# Allegro board rpi-cm4-carrierboard.brd (continued)
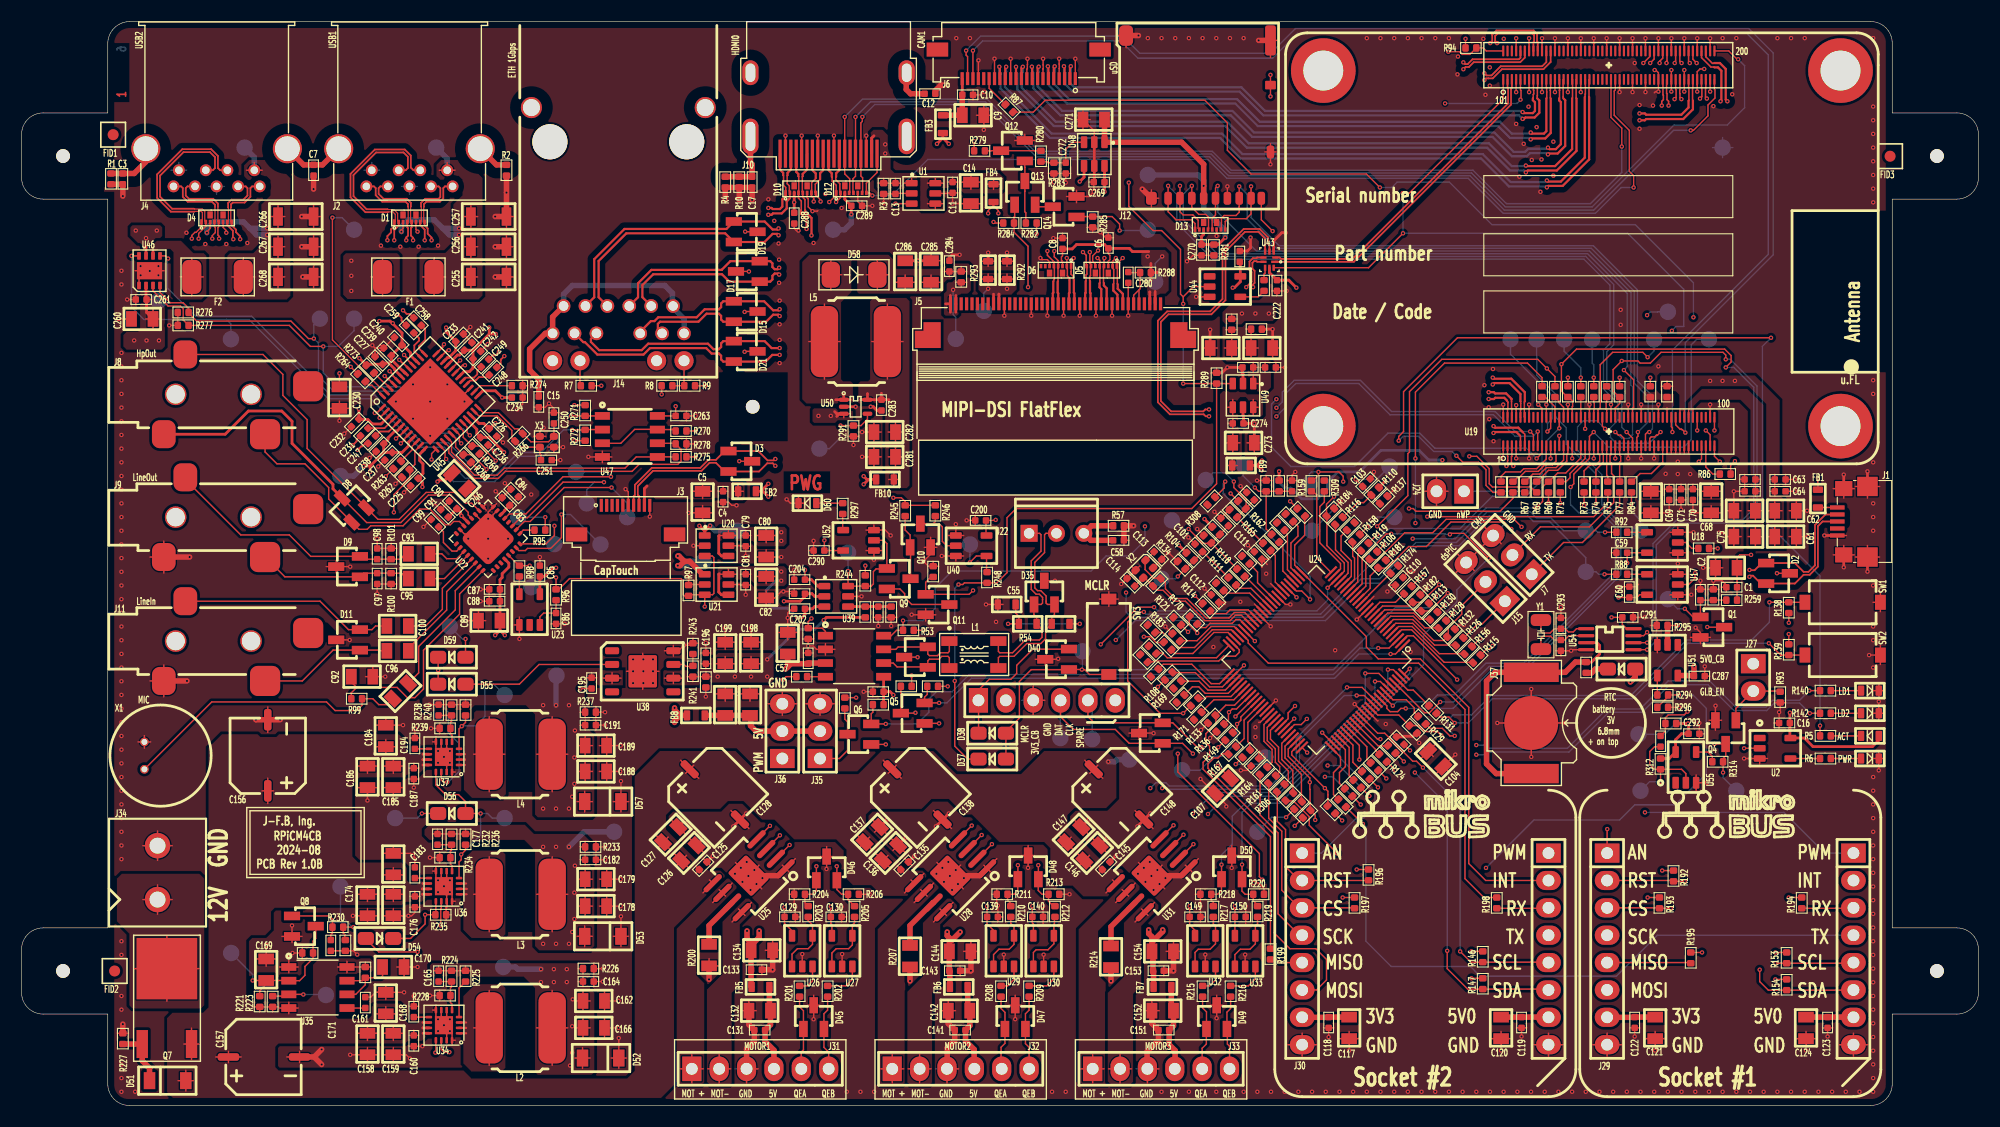
[diagram p0: board, top side]
## Routing (per net, layer and track width the routed paths; a pad name or vN(x,y) marks a point on that pad's centre or on a via; arc(x,y) is an arc through that point) (continued)
N1805192_MOTOR6: length 6
  TOP w0.127: U33.1 112.6,14 113.1,14.5 114,14.5 114.5,15 U33.4 114.5,16.65 114.7,16.85 R219.1
N1805304_MOTOR4: length 8.2
  TOP w0.508: J31.4 69.82,5.13 69,5.95 C131.2 69.5,7.5 C132.1 69.4,8.9 FB5.1
N1805304_MOTOR5: length 8.2
  TOP w0.508: FB6.1 87.8,9 C142.1 88,7.4 C141.2 87.6,6 88.4,5.2 88.4,3.42 J32.4
N1805304_MOTOR6: length 8.1
  TOP w0.508: FB7.1 106.7,9 C152.1 106.9,7.4 C151.2 106.5,5.65 107.05,5.1 107.05,3.43 J33.4
N2002601_MIKROBUS1: length 7.8
  TOP w0.127: R195.2 154.84,13.26 J29.5
N2002601_MIKROBUS2: length 3.1
  TOP w0.127: R199.2 116.44,13.55 116.73,13.26 J30.5
N2002805_MIKROBUS1: length 4.8
  TOP w0.127: J29.14 169.96,18.3 R194.1
N2002805_MIKROBUS2: length 4.8
  TOP w0.127: R198.1 141.66,18.3 J30.14
Net_5: length 1
  TOP w0.127: 109.6,46.6 v1(108.9,47.3)
Net_8: length 1.1
  TOP w0.127: 125,52.2 v1(125.8,53)
NRPIBOOT: length 19
  TOP w0.127: Q1.3 156.45,44.39 v1(156.43,44.4) ; U19.93 155.9,60 v1(155.65,59.75)
  SIG_INNER2 w0.127: v1(155.65,59.75) 156.1,59.3 156.1,51.1 156.65,50.55 156.65,49.4 156.43,49.18 v1(156.43,44.4)
OSCI: length 14.7
  TOP w0.127: U24.42 113.51,45.75 112.55,45.75 112.05,45.25 109.95,45.25 108.15,47.05 107.05,47.05 106.15,47.95 106.15,48.46 R143.2 105.67,48.94 105.06,48.94 104.26,49.74 104.26,50.56 X2.1 C113.1
OSCO: length 13.2
  TOP w0.127: U24.43 113.2,45.5 112.65,45.5 112.15,45 109.8,45 108,46.8 106.95,46.8 105.93,47.82 105.38,47.82 R143.1 104.23,48.97 X2.3 103.31,48.2 C114.1
OUTA_MOTOR4: length 8.2
  TOP w0.127: 62.2,2.08 J31.1 ; J31.1 61.13,3.4 ; J31.1 62.2,4.72 ; J31.1 63.27,3.4 ; 64.13,18.83 U25.6 ; U25.6 64.74,20.03 ; U25.6 65.94,20.63 ; U25.6 65.34,19.43
OUTA_MOTOR5: length 8.2
  TOP w0.127: 82.83,18.83 U28.6 ; U28.6 84.04,19.43 ; U28.6 84.64,20.63 ; U28.6 83.44,20.03 ; 79.73,3.4 J32.1 ; J32.1 81.87,3.4 ; J32.1 80.8,4.72 ; J32.1 80.8,2.08
OUTA_MOTOR6: length 8.2
  TOP w0.127: 101.53,18.83 U31.6 ; U31.6 103.34,20.63 ; U31.6 102.74,19.43 ; U31.6 102.14,20.03 ; 98.33,3.4 J33.1 ; J33.1 100.47,3.4 ; J33.1 99.4,2.08 ; J33.1 99.4,4.72
OUTB_MOTOR4: length 8.2
  TOP w0.127: 65.93,17.03 U25.8 ; U25.8 66.53,18.24 ; U25.8 67.74,18.84 ; U25.8 67.14,17.63 ; 64.74,2.08 J31.2 ; J31.2 63.67,3.4 ; J31.2 65.81,3.4 ; J31.2 64.74,4.72
OUTB_MOTOR5: length 8.2
  TOP w0.127: U28.8 85.84,17.63 ; U28.8 86.44,18.84 ; U28.8 84.63,17.03 ; U28.8 85.23,18.24 ; J32.2 83.34,4.72 ; J32.2 84.41,3.4 ; J32.2 82.27,3.4 ; J32.2 83.34,2.08
OUTB_MOTOR6: length 8.2
  TOP w0.127: U31.8 105.14,18.84 ; U31.8 103.33,17.03 ; U31.8 104.54,17.63 ; U31.8 103.93,18.24 ; 101.94,2.08 J33.2 ; J33.2 103.01,3.4 ; J33.2 101.94,4.72 ; J33.2 100.87,3.4
PCIE.PCIE_CLK_N: length 136
  TOP w0.158: v1(33.23,63.82) U45.2 ; U19.112 139.5,97.25 139.08,96.83 134.76,96.83 134.31,96.38 134,96.38 v1(133.8,96.17)
  SIG_INNER2 w0.152: v1(133.8,96.17) 133.88,96.25 134.18,96.25 134.61,95.82 134.61,92.46 132.64,90.5 94.19,90.5 91.29,87.6 64,87.6 62.7,86.3 50.25,86.3 45.66,81.71 45.66,68.91 39.84,63.09 34.29,63.09 33.45,62.25 32.84,62.25 32.39,62.7 32.39,63.16 32.75,63.52 32.92,63.52 v1(33.23,63.82)
PCIE.PCIE_CLK_NREQ: length 154.9
  TOP w0.127: R263.1 v1(33.8,58.4) ; U19.102 135.93,97.87 135.65,98.15 R94.2 134.4,97.55 133.7,97.55 133.45,97.8 v1(132.4,97.8)
  SIG_INNER2 w0.127: v1(132.4,97.8) 132.4,94.45 133,93.85 133,92.35 132.1,91.45 87.05,91.45 85.5,93 66.5,93 64.55,94.95 46.1,94.95 45.25,94.1 45.25,86.1 41.85,82.7 34.4,82.7 32.65,80.95 32.65,77.9 36.8,73.75 36.8,68.55 34.5,66.25 31.65,66.25 30.4,65 30.4,63 33.8,59.6 v1(33.8,58.4)
PCIE.PCIE_CLK_P: length 137.9
  TOP w0.158: v1(32.78,64.27) 32.97,64.27 U45.1 ; v1(133.8,96.81) 133.96,96.65 134.2,96.65 134.65,97.1 138.97,97.1 139.1,97.23 U19.110
  SIG_INNER2 w0.152: v1(133.8,96.81) 133.97,96.64 134.34,96.64 135,95.98 135,92.3 132.81,90.11 94.36,90.11 91.46,87.21 64.16,87.21 62.86,85.91 50.41,85.91 46.05,81.54 46.05,68.74 40.01,62.7 34.46,62.7 33.61,61.86 32.68,61.86 32,62.54 32,63.32 32.47,63.79 32.47,63.96 v1(32.78,64.27)
PCIE.PCIE_NRST: length 144.9
  TOP w0.127: v1(139.1,93.35) 139.15,93.4 139.15,94.2 139.1,94.25 U19.109 ; v1(28.85,82.4) 28.85,71.05 33.27,66.63 33.44,66.63 U45.47
  SIG_INNER2 w0.127: v1(132.1,93) 131.7,93 130.45,91.75 87.2,91.75 85.65,93.3 66.65,93.3 64.75,95.2 45.9,95.2 45,94.3 45,86.65 41.65,83.3 29.75,83.3 v1(28.85,82.4)
  BOTTOM w0.127: v1(132.1,93) 138.8,93 139.1,93.3 v1(139.1,93.35) ; v1(28.85,82.4) 29.74,82.4 TP33.1
PCIE.PCIE_RX_N: length 150.9
  TOP w0.158: C247.1 31.9,61.45 31.63,61.18 31.53,61.18 v1(31.2,60.85) ; U19.118 140.7,98.67 140.64,98.74 140.64,99.45 140.31,99.77 136.87,99.77 136.48,99.38 136.48,98.78 v1(136.3,98.6)
  SIG_INNER2 w0.152: v1(136.3,98.6) 136.3,98.25 136.42,98.13 136.42,97.18 137.81,95.79 137.81,91.86 134.34,88.4 95.04,88.4 92.19,85.55 64.89,85.55 63.29,83.95 51.5,83.95 47.55,80 47.55,62.35 42.54,57.34 38.04,57.34 36.94,56.24 33.76,56.24 30.5,59.5 30.5,60.24 30.74,60.51 30.91,60.52 v1(31.2,60.85)
PCIE.PCIE_RX_P: length 151.6
  TOP w0.158: C231.1 31.09,61.79 31.09,61.64 v1(30.72,61.27) ; U19.116 140.3,98.67 140.36,98.74 140.36,99.34 140.2,99.5 136.98,99.5 136.75,99.27 136.75,98.8 136.78,98.77 136.78,98.75 v1(136.93,98.6)
  SIG_INNER2 w0.152: v1(30.72,61.27) 30.44,60.94 30.45,60.77 30.11,60.38 30.11,59.33 33.59,55.85 37.11,55.85 38.21,56.95 42.71,56.95 47.94,62.19 47.94,79.84 51.66,83.56 63.46,83.56 65.06,85.16 92.36,85.16 95.21,88.01 134.51,88.01 138.2,91.7 138.2,95.95 136.81,97.34 136.81,98.11 136.93,98.23 v1(136.93,98.6)
PCIE.PCIE_TX_N: length 141.1
  TOP w0.158: v1(35.2,61.45) 35.53,61.78 35.53,61.88 U45.8 ; v1(135.75,95.17) 135.91,95.33 136.11,95.33 136.53,95.33 137.38,96.18 141.23,96.18 141.9,96.85 U19.124
  SIG_INNER2 w0.152: v1(135.75,95.17) 135.75,95.2 135.9,95.35 136.39,95.35 136.76,94.99 136.76,92.31 133.89,89.45 94.54,89.45 91.64,86.55 64.34,86.55 62.89,85.1 50.85,85.1 46.61,80.86 46.61,63.81 45.74,62.94 44.54,62.94 40.75,59.15 35.46,59.15 34.54,60.06 34.54,60.97 34.72,61.14 34.89,61.14 v1(35.2,61.45)
PCIE.PCIE_TX_P: length 142.8
  TOP w0.158: U45.7 35.17,62.23 35.08,62.23 v1(34.75,61.9) ; v1(135.75,95.8) 135.95,95.6 136.42,95.6 137.27,96.45 141.12,96.45 141.5,96.83 U19.122
  SIG_INNER2 w0.152: v1(34.75,61.9) 34.44,61.59 34.44,61.42 34.15,61.13 34.15,59.9 35.29,58.76 40.91,58.76 44.71,62.55 45.9,62.55 47,63.65 47,80.69 51.01,84.71 63.06,84.71 64.51,86.16 91.81,86.16 94.71,89.06 134.06,89.06 137.15,92.15 137.15,95.15 136.56,95.74 135.95,95.74 135.89,95.8 v1(135.75,95.8)
PETX_N: length 2.6
  TOP w0.158: C247.2 33.25,62.55 34.08,62.55 U45.5
PETX_P: length 2.8
  TOP w0.158: C231.2 33.68,62.86 U45.4
PI_NLED_ACT: length 93.1
  TOP w0.127: R5.1 v1(166.9,35.25) ; R61.1 136.55,56.9 135.9,57.55 135.9,59 135.2,59.7 133.75,59.7 v1(133.15,60.3) ; v1(127.8,61.7) 127.8,62.09 128.25,62.54 128.25,66.25 133.25,71.25 v1(162.35,71.25)
  BOTTOM w0.127: v1(133.15,60.3) 132.75,60.7 131.05,60.7 129.65,62.1 128.2,62.1 v1(127.8,61.7) ; v1(162.35,71.25) 161.55,70.45 161.55,54.5 166.9,49.15 v1(166.9,35.25)
PI_NLED_PWR: length 30.3
  TOP w0.127: v1(159.85,33.15) U2.2 ; R86.1 158.6,59.4 v1(159,59.8)
  SIG_INNER2 w0.127: v1(159.85,33.15) 159.45,33.15 159.15,33.45 159.15,51.1 159.5,51.45 159.5,57.65 159,58.15 v1(159,59.8)
PWG: length 11.7
  TOP w0.127: U52.2 80,52.45 80.3,52.15 Q9.1 80.26,49.8 79.3,49.8 79.05,49.55 79.05,48.4 78.85,48.2 R244.2 U39.6 v1(76.7,49.6)
  BOTTOM w0.127: v1(76.7,49.6) TP9.1
QEI_A_MOTOR4: length 6.9
  TOP w0.127: R201.1 72.2,9.15 72.56,8.79 D45.1 72.56,5.16 72.35,4.95 72.35,3.41 J31.5
QEI_A_MOTOR5: length 7
  TOP w0.127: J32.5 90.9,3.46 90.9,5.4 91.26,5.76 91.26,8.64 90.9,9 R208.1
QEI_A_MOTOR6: length 7
  TOP w0.127: R215.1 109.6,9.05 109.96,8.69 109.96,7.1 109.95,7.09 109.95,5.7 109.56,5.31 J33.5
QEI_B_MOTOR4: length 7
  TOP w0.127: R202.1 74.8,8.85 74.46,8.51 D45.2 74.46,5.39 74.9,4.95 J31.6
QEI_B_MOTOR5: length 7
  TOP w0.127: R209.1 93.5,8.85 93.16,8.51 D47.2 93.16,5.74 93.5,5.4 J32.6
QEI_B_MOTOR6: length 6.9
  TOP w0.127: J33.6 112.1,5.5 111.9,5.7 111.9,7.06 D49.2 111.86,8.66 112.2,9 R216.1
RUN_PG: length 161.9
  TOP w0.127: v1(36.75,14.25) 33.15,14.25 31.95,15.45 D54.1 ; R88.2 v1(146.9,49.3)
  SIG_INNER2 w0.127: v1(101.55,43.2) 101,43.75 94.61,43.75 93.26,42.4 77.55,42.4 77.2,42.05 68.11,42.05 67.16,41.1 60.54,41.1 59.24,42.4 43.4,42.4 41.7,44.1 36.65,44.1 32.1,39.55 32.1,29.3 32.6,28.8 32.6,27.8 32.15,27.35 32.15,17.4 35.3,14.25 v1(36.75,14.25)
  BOTTOM w0.127: v1(146.9,49.3) 146.34,49.3 146.11,49.53 TP17.1 145.16,50.84 141.8,54.2 140.3,54.2 139.8,54.7 136.2,54.7 135.35,53.85 135.3,53.85 133.4,51.95 129.55,51.95 126.08,48.48 124.48,48.48 121,45 103.35,45 v1(101.55,43.2)
SD_PWR_ON: length 88.9
  TOP w0.127: R84.1 v1(149.4,55.8) ; v1(93.4,75.95) 93.4,79.75 92.1,81.05 R284.1 92.1,82.44 92.16,82.5 Q13.1
  SIG_INNER2 w0.127: v1(149.4,55.8) 149.4,56.85 146.75,59.5 146.75,62.3 146.5,62.55 146.5,65.6 147.35,66.45 148.45,66.45 149.95,67.95 149.95,70.55 148.7,71.8 147.7,71.8 146.85,72.65 98.15,72.65 94.85,75.95 v1(93.4,75.95)
  BOTTOM w0.127: v1(149.4,55.8) 149.4,55.14 150.24,54.3 TP28.1
SDIO.CLK: length 65.1
  TOP w0.127: D13.5 110.49,81.31 110.49,82.34 110.8,82.66 J12.5 110.8,85.15 v1(111,85.35) ; U19.57 148.7,61.92 148.4,62.22 148.18,62.22 v1(147.9,62.5)
  BOTTOM w0.127: v1(111,85.35) 111,82.9 114.6,79.3 145.5,79.3 149.35,75.45 149.35,66.85 149.5,66.7 149.5,62.25 149.15,61.9 148.5,61.9 v1(147.9,62.5)
SDIO.CMD: length 64.6
  TOP w0.127: U19.62 149.5,64.7 149.6,64.8 149.6,67.35 v1(148.7,68.25) ; v1(108.6,85.35) J12.3 108.6,83.35 109.25,82.7 109.9,82.7 110.15,82.45 110.15,81.35 D13.4
  BOTTOM w0.127: v1(108.6,85.35) 107.8,84.55 107.8,82.2 110.95,79.05 145.33,79.05 149,75.38 149,68.55 v1(148.7,68.25)
SDIO.D0: length 62.7
  TOP w0.127: D13.7 111.35,81.35 111.35,82.35 111.6,82.6 112.7,82.6 113,82.9 113,83.41 J12.7 v1(113,85.3) ; v1(150,62.5) 150,62.11 149.9,62.01 U19.63
  BOTTOM w0.127: v1(113,85.3) 113.75,84.55 113.75,82.25 116.45,79.55 145.68,79.55 149.65,75.58 149.65,67.05 150.95,65.75 150.95,63.45 v1(150,62.5)
SDIO.D1: length 62.9
  TOP w0.127: U19.67 150.7,62.3 150.9,62.5 v1(151.05,62.5) ; v1(114.1,85.3) J12.8 114.1,82.75 113.65,82.3 111.95,82.3 111.7,82.05 D13.8
  BOTTOM w0.127: v1(151.05,62.5) 151.35,62.8 151.35,65.85 149.95,67.25 149.95,75.7 145.85,79.8 116.7,79.8 114.1,82.4 v1(114.1,85.3)
SDIO.D2: length 74.8
  TOP w0.127: v1(152.1,62.5) 151.82,62.22 151.72,62.22 151.55,62.05 151.23,62.05 151.1,61.92 U19.69 ; D13.1 108.9,81.85 108.55,82.2 107.13,82.2 107,82.33 107,82.35 106.4,82.95 J12.1 v1(106.4,85.35)
  BOTTOM w0.127: v1(152.1,62.5) 151.05,61.45 148,61.45 147.45,62 147.45,62.9 148.15,63.6 148.15,65.15 146.8,66.5 146.8,70.1 147.4,70.7 147.4,76.13 144.98,78.55 110.55,78.55 107.2,81.9 107.2,84.55 v1(106.4,85.35)
SDIO.D3: length 67.5
  TOP w0.127: U19.61 149.5,61.95 v1(148.95,62.5) ; D13.2 109.19,81.41 109.19,82.16 108.7,82.65 107.8,82.65 107.5,82.95 J12.2 v1(107.5,85.35)
  BOTTOM w0.127: v1(107.5,85.35) 107.5,82.05 110.75,78.8 145.15,78.8 147.75,76.2 147.75,70.6 147.1,69.95 147.1,66.65 148.5,65.25 148.5,62.95 v1(148.95,62.5)
SDIO_VDD: length 30.8
  TOP w0.254: D13.3 109.7,80.85 109.5,80.65 C270.2 R281.2 111.05,79.9 v1(111.7,80.55)
  TOP w0.508: C271.1 U48.1 107.65,89.4 109.7,87.35 v1(109.7,85.35) J12.4
  BOTTOM w0.508: TP30.1 109.19,86.36 109.7,85.85 v1(109.7,85.35) 109.7,83.2 111.7,81.2 v1(111.7,80.55)
SPI2.CSN: length 53.2
  TOP w0.127: R71.1 v1(142.8,55.9) ; R149.2 112.41,34.66 112.8,35.05 v1(112.8,35.4) 113.15,35.75 113.15,36.05 114.57,37.47 U24.60
  SIG_INNER2 w0.127: v1(142.8,55.9) 141.6,54.7 135.95,54.7 131.9,50.65 129.1,50.65 128.05,49.6 128.05,46 125.85,43.8 121.2,43.8 v1(112.8,35.4)
  BOTTOM w0.127: TP59.1 109.36,31.11 110.65,32.4 111.45,32.4 112.8,33.75 v1(112.8,35.4)
SPI2.SCLK: length 58.6
  TOP w0.127: R72.2 v1(145.9,67.55) ; v1(112.65,36.1) U24.59
  SIG_INNER2 w0.127: v1(112.65,36.1) 112.9,36.35 113.15,36.35 120.95,44.15 125.75,44.15 127.75,46.15 127.75,49.7 128.95,50.9 131.75,50.9 135.85,55 139.3,55 143.35,59.05 143.35,60.75 144.15,61.55 144.15,63.4 144.65,63.9 144.65,65.55 145.9,66.8 v1(145.9,67.55)
  BOTTOM w0.127: TP60.1 145.75,68.9 145.9,68.75 v1(145.9,67.55)
SPI2.SDI: length 60.3
  TOP w0.127: R70.2 v1(144.7,67.55) ; U24.58 113.98,38.03 112.75,36.8 112.35,36.8 v1(112.05,36.5) 112,36.45 112,35.8 R136.1
  SIG_INNER2 w0.127: v1(144.7,67.55) 144.7,66.05 144.3,65.65 144.3,64.05 143.8,63.55 143.8,61.7 143,60.9 143,59.2 139.1,55.3 135.75,55.3 131.65,51.2 128.8,51.2 127.4,49.8 127.4,46.3 125.6,44.5 120.8,44.5 113.1,36.8 112.35,36.8 v1(112.05,36.5)
  BOTTOM w0.127: v1(144.7,67.55) 144.7,68.45 143.15,70 TP61.1
SPI2.SDO: length 57.6
  TOP w0.127: R166.1 v1(112.67,31.68) ; U19.40 v1(145.1,62.8)
  SIG_INNER2 w0.127: v1(112.67,31.68) 112.67,33.17 113.4,33.9 113.4,35.5 121.4,43.5 126,43.5 128.35,45.85 128.35,49.5 129.25,50.4 132.05,50.4 136.05,54.4 142.35,54.4 144.45,56.5 144.45,59.2 145.1,59.85 v1(145.1,62.8)
  BOTTOM w0.127: v1(112.67,31.68) 114.83,31.68 TP58.1
SYS_RSTN: length 185.9
  TOP w0.127: U1.3 v1(81.1,83.7) ; U45.11 36.5,60.73 36.5,59.5 R262.2 36.04,58.97 36.04,58.19 34.55,56.7 v1(34.55,55.05) ; v1(102.75,85.65) 102.75,83.45 105,81.2 105.8,81.2 107.55,79.45 107.55,75.3 107.8,75.05 ; v1(86.6,39.4) 86.6,33.35 87.8,32.15 D37.2 ; 107.8,75.05 108.75,76 U44.2 ; 107.8,75.05 v1(107.8,74.4) ; v1(63.4,46.3) U21.3 ; U21.3 62,47.4 R97.1 61.51,47.3 61.39,47.43 61.39,48.15 61.39,48.45 61.39,48.71 61.2,48.9 50.85,48.9 49.85,47.9 R96.1 v1(49.6,49) ; U21.3 64.12,47.4 64.25,47.53 64.25,50.85 64.1,51 U20.3 ; v1(107.8,67) R289.1 ; R289.1 110.9,57.7 108.6,55.4 92.3,55.4 91.45,54.55 91.45,49.45 90.5,48.5 R248.2 87.49,48.5 87.34,48.35 v1(86.95,48.35) ; R289.1 U49.3
  SIG_INNER2 w0.127: v1(34.55,55.05) 34.55,51.75 37.3,49 v1(49.6,49) ; v1(63.4,46.3) 63.95,46.3 64.4,46.75 68.5,46.75 69.4,45.85 71.2,45.85 72.4,47.05 75.15,47.05 77,48.9 86.4,48.9 v1(86.95,48.35) ; v1(102.75,85.65) 99.15,85.65 98.3,84.8 93,84.8 92.7,84.5 85.7,84.5 84.9,83.7 v1(81.1,83.7)
  BOTTOM w0.127: v1(86.95,48.35) 86.6,48 v1(86.6,39.4) ; v1(107.8,74.4) v1(107.8,67)
U3TD1_N: length 2.4
  TOP w0.158: U45.29 41.2,67.55 41.98,67.55 42.29,67.86 42.29,68.19 C249.1
U3TD1_P: length 2.5
  TOP w0.158: C248.1 43.2,67.6 42.45,67.6 42.2,67.35 42.17,67.35 42.09,67.28 41.63,67.28 U45.28
U3TD2_N: length 2.9
  TOP w0.158: C259.1 36.89,71.21 36.89,70.99 36.45,70.55 36.45,69.98 U45.38
U3TD2_P: length 3.2
  TOP w0.158: U45.37 36.88,70.26 36.88,70.48 37.46,71.06 37.46,72.04 C258.1
UART_RXD0: length 16.9
  TOP w0.127: J7.2 138.35,51.1 140.95,53.7 145.5,53.7 147.75,55.95 147.75,58.45 147.55,58.65 147.55,59.6 147.41,59.74 147.41,60.31 147.5,60.4 U19.51
UART_TXD0: length 12
  TOP w0.127: J7.1 143.1,52.25 144.85,52.25 148.3,55.7 R77.1
USB3_0-VBUS: length 29.4
  TOP w0.127: C257.1 41.7,83.53 ; C257.1 41.7,81.47 ; C257.1 42.33,82.5 ; C257.1 41.07,82.5 ; 41.7,75.87 C255.1 ; C255.1 41.7,77.93 ; C255.1 41.07,76.9 ; C255.1 42.33,76.9 ; 41.7,78.67 C256.1 ; C256.1 41.7,80.73 ; C256.1 41.07,79.7 ; C256.1 42.33,79.7 ; v1(35.25,81.1) 35.25,81.25 35.4,81.4 D1.3 ; 38.28,75.15 F1.2 ; F1.2 38.28,78.65 ; F1.2 39.35,76.9 ; F1.2 37.21,76.9 ; J2.1 39.5,87.53 ; J2.1 38.77,86.8 ; J2.1 40.23,86.8
  BOTTOM w0.508: J2.1 39.5,87.88 TP38.1 ; 39.1,81.4 39.7,80.8 v1(40.6,80.8) ; 39.1,81.4 38.3,82.2 35.9,82.2 35.25,81.55 v1(35.25,81.1) ; 39.1,81.4 v1(40.6,81.4)
USB3_0.U2_N: length 32.6
  TOP w0.105: D1.1 34.68,82.08 34.68,82.71 34.46,82.93 34.02,82.93 33.99,82.9 33.96,82.9
  TOP w0.158: v1(33.95,80.3) 33.95,80.69 34.3,81.03 34.3,81.3 34.31,81.31 34.31,81.35 34.58,81.62 34.58,81.98 D1.1 ; J2.2 36.37,86.8 36.12,87.05 36.12,88.16 35.56,88.72 32.79,88.72 30.53,86.46 30.53,84.29 31.91,82.9 33.96,82.9 ; U45.36 39.08,70.38 39.08,70.53 v1(39.2,70.65)
  SIG_INNER2 w0.152: v1(39.2,70.65) 39.3,70.75 39.54,70.75 40.21,71.41 40.21,72.34 34.11,78.44 34.11,80.05 33.95,80.2 v1(33.95,80.3)
USB3_0.U2_P: length 31.8
  TOP w0.105: 33.96,83.18 33.99,83.18 34.02,83.15 34.55,83.15 34.9,82.8 34.9,82.1 D1.2
  TOP w0.158: v1(34.59,80.3) 34.59,81.23 35,81.65 D1.2 ; 33.96,83.18 32.02,83.18 30.8,84.4 30.8,86.35 32.9,88.45 35.45,88.45 35.85,88.05 35.85,87 35.65,86.8 J2.3 ; U45.35 39.51,70.1 v1(39.65,70.1)
  SIG_INNER2 w0.152: v1(34.59,80.3) 34.59,80.2 34.5,80.11 34.5,78.6 40.6,72.5 40.6,71.25 39.8,70.45 39.8,70.25 v1(39.65,70.1)
USB3_0.U3RXD_N: length 24.2
  TOP w0.105: 35.85,83.44 35.85,83.41 35.88,83.38 35.88,82.08 D1.4
  TOP w0.158: 35.85,83.44 35.85,83.66 35.64,83.88 33.47,83.88 32.86,84.49 32.86,85.14 32.71,85.3 J2.5 ; U45.32 40.35,68.82 40.38,68.82 v1(40.7,69.15) ; v1(35.7,80.3) 35.7,80.57 35.86,80.73 35.86,81.44 35.8,81.5 D1.4
  SIG_INNER2 w0.152: v1(35.7,80.3) 35.7,80.2 35.86,80.04 35.86,78.94 42.26,72.54 42.26,70.51 41.09,69.35 40.9,69.35 v1(40.7,69.15)
USB3_0.U3RXD_P: length 24.6
  TOP w0.105: 36.13,83.44 36.13,83.41 36.1,83.38 36.1,82.1 D1.5
  TOP w0.158: v1(36.34,80.3) 36.34,80.53 36.14,80.73 36.14,81.44 36.2,81.5 D1.5 ; 36.13,83.44 36.13,83.77 35.75,84.15 33.59,84.15 33.14,84.6 33.14,85.14 33.29,85.3 J2.6 ; U45.31 40.94,68.7 v1(41.15,68.7)
  SIG_INNER2 w0.152: v1(41.15,68.7) 41.35,68.9 41.35,69.05 42.65,70.35 42.65,72.7 36.25,79.1 36.25,80.11 36.34,80.2 v1(36.34,80.3)
USB3_0.U3TXD_N: length 22.2
  TOP w0.105: D1.7 37.1,82.1 37.1,83.38 37.07,83.41 37.07,83.44
  TOP w0.158: v1(44.3,69.94) 43.98,69.62 43.72,69.62 C249.2 ; v1(37.41,80.3) 37.41,81.28 37,81.7 D1.7 ; 37.07,83.44 37.07,83.77 37.45,84.15 38.71,84.15 38.86,84.31 38.86,85.14 38.71,85.3 J2.8
  SIG_INNER2 w0.152: v1(44.3,69.94) 44.6,70.24 44.6,72.24 37.5,79.34 37.5,80.11 37.41,80.2 v1(37.41,80.3)
USB3_0.U3TXD_P: length 22.7
  TOP w0.105: 37.35,83.44 37.35,83.41 37.32,83.38 37.32,82.08 D1.8
  TOP w0.158: 37.35,83.44 37.35,83.66 37.56,83.88 38.82,83.88 39.14,84.19 39.14,85.14 39.29,85.3 J2.9 ; D1.8 37.4,81.68 37.69,81.4 37.69,80.91 38.05,80.55 v1(38.05,80.3) ; C248.2 44.46,68.86 44.46,69.16 44.47,69.17 44.47,69.22 v1(44.8,69.55)
  SIG_INNER2 w0.152: v1(38.05,80.3) 38.05,80.2 37.89,80.04 37.89,79.51 44.99,72.41 44.99,70.08 44.85,69.93 44.85,69.6 v1(44.8,69.55)
USB3_1-VBUS: length 29.7
  TOP w0.127: 23.17,76.9 C268.1 ; C268.1 24.43,76.9 ; C268.1 23.8,75.87 ; C268.1 23.8,77.93 ; C266.1 23.8,83.53 ; C266.1 24.43,82.5 ; C266.1 23.17,82.5 ; C266.1 23.8,81.47 ; 20.58,75.15 F2.2 ; F2.2 20.58,78.65 ; F2.2 21.65,76.9 ; F2.2 19.51,76.9 ; 20.87,86.8 J4.1 ; J4.1 22.33,86.8 ; J4.1 21.6,87.53 ; C267.1 24.43,79.7 ; C267.1 23.8,80.73 ; C267.1 23.17,79.7 ; C267.1 23.8,78.67 ; v1(17.2,81) 17.2,81.1 17.49,81.39 17.49,81.44 17.5,81.45 D4.3
  BOTTOM w0.508: v1(17.2,81) 17.2,81.4 17.8,82 20.6,82 21.2,81.4 ; 21.2,81.4 21.8,80.8 v1(22.8,80.8) ; 21.2,81.4 v1(22.8,81.4) ; TP39.1 21.6,88 J4.1
USB3_1.U2_N: length 45.6
  TOP w0.105: D4.1 16.78,82.08 16.78,82.88 16.68,82.98 16.07,82.98 16.04,82.95 16.01,82.95
  TOP w0.127: v1(15.8,80.45) 15.8,80.75 16.08,81.03 16.19,81.03 16.7,81.54 D4.1
  TOP w0.158: v1(33.7,67.7) 34.03,67.37 34.11,67.37 U45.45 ; J4.2 18.42,86.8 18.22,87 18.22,88.13 17.6,88.75 14.92,88.75 12.58,86.41 12.58,84.24 13.86,82.95 16.01,82.95
  SIG_INNER2 w0.152: v1(33.7,67.7) 33.38,68.02 33.38,68.22 29.8,71.8 20.6,71.8 15.91,76.49 15.91,80.34 v1(15.8,80.45)
USB3_1.U2_P: length 44.1
  TOP w0.105: D4.2 17,82.1 17,82.97 16.77,83.2 16.07,83.2 16.04,83.23 16.01,83.23
  TOP w0.127: D4.2 17.1,81.6 16.44,80.93 v1(16.44,80.45)
  TOP w0.158: v1(34.15,68.15) 34.48,67.82 34.48,67.71 U45.44 ; 16.01,83.23 13.97,83.23 12.85,84.35 12.85,86.3 15.03,88.48 17.49,88.48 17.95,88.02 17.95,87 17.75,86.8 J4.3
  SIG_INNER2 w0.152: v1(16.44,80.45) 16.3,80.31 16.3,76.66 20.76,72.19 29.96,72.19 33.68,68.47 33.83,68.47 v1(34.15,68.15)
USB3_1.U3RXD_N: length 33.8
  TOP w0.105: 17.95,82.05 17.95,83.4
  TOP w0.127: 17.95,82.05 D4.4 17.9,81.56 17.98,81.48 17.98,81.01 17.7,80.73 v1(17.7,80.45)
  TOP w0.158: v1(35.05,69.2) 35.38,68.87 35.44,68.87 U45.41 ; J4.5 14.81,85.3 14.96,85.14 14.96,84.34 15.42,83.88 17.67,83.88 17.95,83.6 17.95,83.4
  SIG_INNER2 w0.152: v1(17.7,80.45) 17.81,80.34 17.81,76.79 21.4,73.2 31.19,73.2 34.73,69.67 34.73,69.52 v1(35.05,69.2)
USB3_1.U3RXD_P: length 33.5
  TOP w0.105: 18.22,82.08 18.22,83.4
  TOP w0.127: 18.22,82.08 18.23,82.08 18.3,82.01 D4.5 18.3,81.56 18.22,81.48 18.22,80.78 18.34,80.67 v1(18.34,80.45)
  TOP w0.158: J4.6 15.39,85.3 15.24,85.14 15.24,84.45 15.53,84.15 17.78,84.15 18.22,83.71 18.22,83.4 ; U45.40 35.83,69.19 35.83,69.32 v1(35.5,69.65)
  SIG_INNER2 w0.152: v1(35.5,69.65) 35.18,69.97 34.98,69.97 31.36,73.59 21.56,73.59 18.2,76.95 18.2,80.32 v1(18.34,80.45)
USB3_1.U3TXD_N: length 29
  TOP w0.105: 19.17,83.36 19.17,83.33 19.2,83.31 19.2,82.1 D4.7
  TOP w0.158: J4.8 20.81,85.3 20.96,85.14 20.96,84.45 20.59,84.07 19.49,84.07 19.17,83.75 19.17,83.36 ; v1(19.65,80.4) 19.62,80.44 19.62,81.19 19.1,81.7 D4.7 ; C259.2 35.26,72.84 35.26,73.11 34.98,73.4 v1(34.9,73.4)
  SIG_INNER2 w0.152: v1(34.9,73.4) 34.58,73.72 34.58,73.87 33.84,74.61 21.89,74.61 19.75,76.74 19.75,80.3 v1(19.65,80.4)
USB3_1.U3TXD_P: length 28.8
  TOP w0.105: 19.44,83.36 19.44,83.33 19.42,83.31 19.42,82.08 D4.8
  TOP w0.158: D4.8 19.5,82 19.5,81.68 19.9,81.28 19.9,81.05 20.29,80.67 v1(20.29,80.4) ; 19.44,83.36 19.44,83.64 19.6,83.8 20.7,83.8 21.24,84.34 21.24,85.14 21.39,85.3 J4.9 ; C258.2 36.04,73.46 35.74,73.46 v1(35.4,73.8)
  SIG_INNER2 w0.152: v1(20.29,80.4) 20.14,80.26 20.14,76.91 22.05,75 34.05,75 34.93,74.12 35.08,74.12 v1(35.4,73.8)
USB.OTG_ID: length 99.3
  TOP w0.127: v1(128.18,84.67) 128.78,84.67 137.5,93.4 U19.101 ; v1(128.2,80.95) 125,77.75 U43.10 ; v1(154.35,46.1) 155.11,45.34 Q1.1 C223.2 R260.1 R259.1
  SIG_INNER2 w0.127: v1(153.15,71.9) 153.15,63.65 152.6,63.1 152.6,59.65 153.3,58.95 153.3,54.85 153.1,54.65 153.1,52.1 154.35,50.85 v1(154.35,46.1)
  BOTTOM w0.127: v1(153.15,71.9) 153.55,72.3 154.25,72.3 154.25,75.75 149.05,80.95 v1(128.2,80.95) 128.2,84.65 v1(128.18,84.67) ; TP32.1 153.67,46.1 v1(154.35,46.1)
USB.USB_N: length 29.9
  TOP w0.158: U19.103 137.9,94.43 137.95,94.38 137.95,93 123.52,78.57 116.88,78.57 116.75,78.7 U43.2
USB.USB_P: length 30.3
  TOP w0.158: U43.1 123.64,78.3 138.22,92.89 138.22,94.35 138.3,94.43 U19.105
USB_HOST.USB_N: length 89.6
  TOP w0.158: v1(69.95,59.37) 69.72,59.6 69.2,59.6 68.44,58.84 D3.2 65.25,58.84 64.44,59.65 63.85,59.65 63.1,58.9 58.6,58.9 57.19,57.49 57.19,56.66 57.3,56.55 J3.8 ; U43.4 115.8,79.83 115.69,79.94 115.69,80.56 114.9,81.35 113.42,81.35 111.45,79.38 111.45,74.85 110.3,73.7 106.32,73.7 105.45,72.83 105.45,65.27 106.57,64.15 109.7,64.15 109.89,63.97 v1(110.2,63.97)
  SIG_INNER2 w0.152: v1(110.2,63.97) 109.83,63.97 109.8,64 84.46,64 79.66,59.21 76.14,59.21 75.86,59.49 70.5,59.49 70.38,59.37 v1(69.95,59.37)
USB_HOST.USB_P: length 88.8
  TOP w0.158: v1(110.2,64.6) 109.85,64.6 109.67,64.42 106.68,64.42 105.72,65.38 105.72,72.72 106.43,73.43 110.41,73.43 111.72,74.74 111.72,79.27 113.53,81.08 114.79,81.08 115.42,80.44 115.42,79.85 115.4,79.83 U43.5 ; v1(69.95,60) 69.82,59.87 69.23,59.87 68.36,60.74 D3.1 65.25,60.74 64.43,59.92 63.74,59.92 62.99,59.17 58.49,59.17 56.91,57.6 56.91,56.66 56.8,56.55 J3.7
  SIG_INNER2 w0.152: v1(110.2,64.6) 109.85,64.6 109.64,64.39 84.29,64.39 79.5,59.6 76.3,59.6 76.02,59.88 70.5,59.88 70.38,60 v1(69.95,60)
USB_OTG.OTG_ID: length 26.7
  TOP w0.127: R259.2 C1.2 159.2,48.59 C2.1 159.2,50.85 159.45,51.1 v1(160.5,51.1) ; FB1.2 v1(166.7,58.25)
  SIG_INNER2 w0.127: v1(160.5,51.1) 159.95,51.1 159.45,50.6 159.45,48.35 160.1,47.7 164.35,47.7 166.65,50 166.65,58.2 v1(166.7,58.25)
USB_OTG.USB_N: length 88.6
  TOP w0.158: v1(160.35,49.7) 160.38,49.67 160.82,49.67 161.49,50.34 D2.1 164.56,50.34 165.37,49.53 165.83,49.53 166.43,50.13 166.43,53.88 167.4,54.85 J1.4 ; v1(113.65,75.95) 114.15,76.45 114.15,77.35 113.95,77.55 113.95,78.32 114.27,78.64 114.6,78.64 114.67,78.7 U43.6
  SIG_INNER2 w0.152: v1(113.65,75.95) 113.65,75.52 113.82,75.35 113.82,75.14 114.35,74.6 155.52,74.6 161.76,68.37 161.76,50.51 160.85,49.6 160.45,49.6 v1(160.35,49.7)
USB_OTG.USB_P: length 88.5
  TOP w0.158: J1.3 167.13,54.2 166.7,53.77 166.7,50.02 165.94,49.25 165.37,49.25 164.56,48.44 D2.2 161.41,48.44 160.68,49.17 160.46,49.17 v1(160.35,49.06) ; U43.7 114.67,78.3 114.6,78.36 114.38,78.36 114.22,78.21 114.22,77.66 114.42,77.46 114.42,76.34 114.28,76.2 v1(114.28,75.95)
  SIG_INNER2 w0.152: v1(160.35,49.06) 160.49,49.21 161.01,49.21 162.15,50.34 162.15,68.53 155.69,74.99 114.52,74.99 114.21,75.3 114.21,75.44 114.28,75.52 v1(114.28,75.95)
N23091: length 3.8
  TOP w0.127: R274.2 42.57,66.8 U45.26
N24810: length 2.1
  TOP w0.127: U45.48 32.51,66.85 32.25,66.85 R264.2
N25141: length 2.4
  TOP w0.127: U45.10 36.25,61.19 36.25,60.85 R263.2
N33481: length 2.1
  TOP w0.127: U45.46 33.67,67.1 33.6,67.1 R273.2
N33697: length 20.2
  TOP w0.127: v1(51.1,62.7) R272.1 52.33,62.73 U47.2 ; v1(38.05,59.95) 38.05,60.5 38.45,60.9 U45.13
  BOTTOM w0.127: v1(51.1,62.7) 50.3,62.7 49.8,62.2 49.8,61.6 48.45,60.25 46.25,60.25 43.9,57.9 40.1,57.9 v1(38.05,59.95)
N33866: length 20